# Altium PCB RPI_HAT_AMP_TAS5756_02.PcbDoc
Units mm, origin at the board's own origin, x right, y up, seen from the top; angles counter-clockwise.
Board outline 65 x 56 mm, 2 copper layers (Top Layer, Bottom Layer), stack 1.571 mm thick; 89 components, 75 nets, 275 pads, 229 vias.
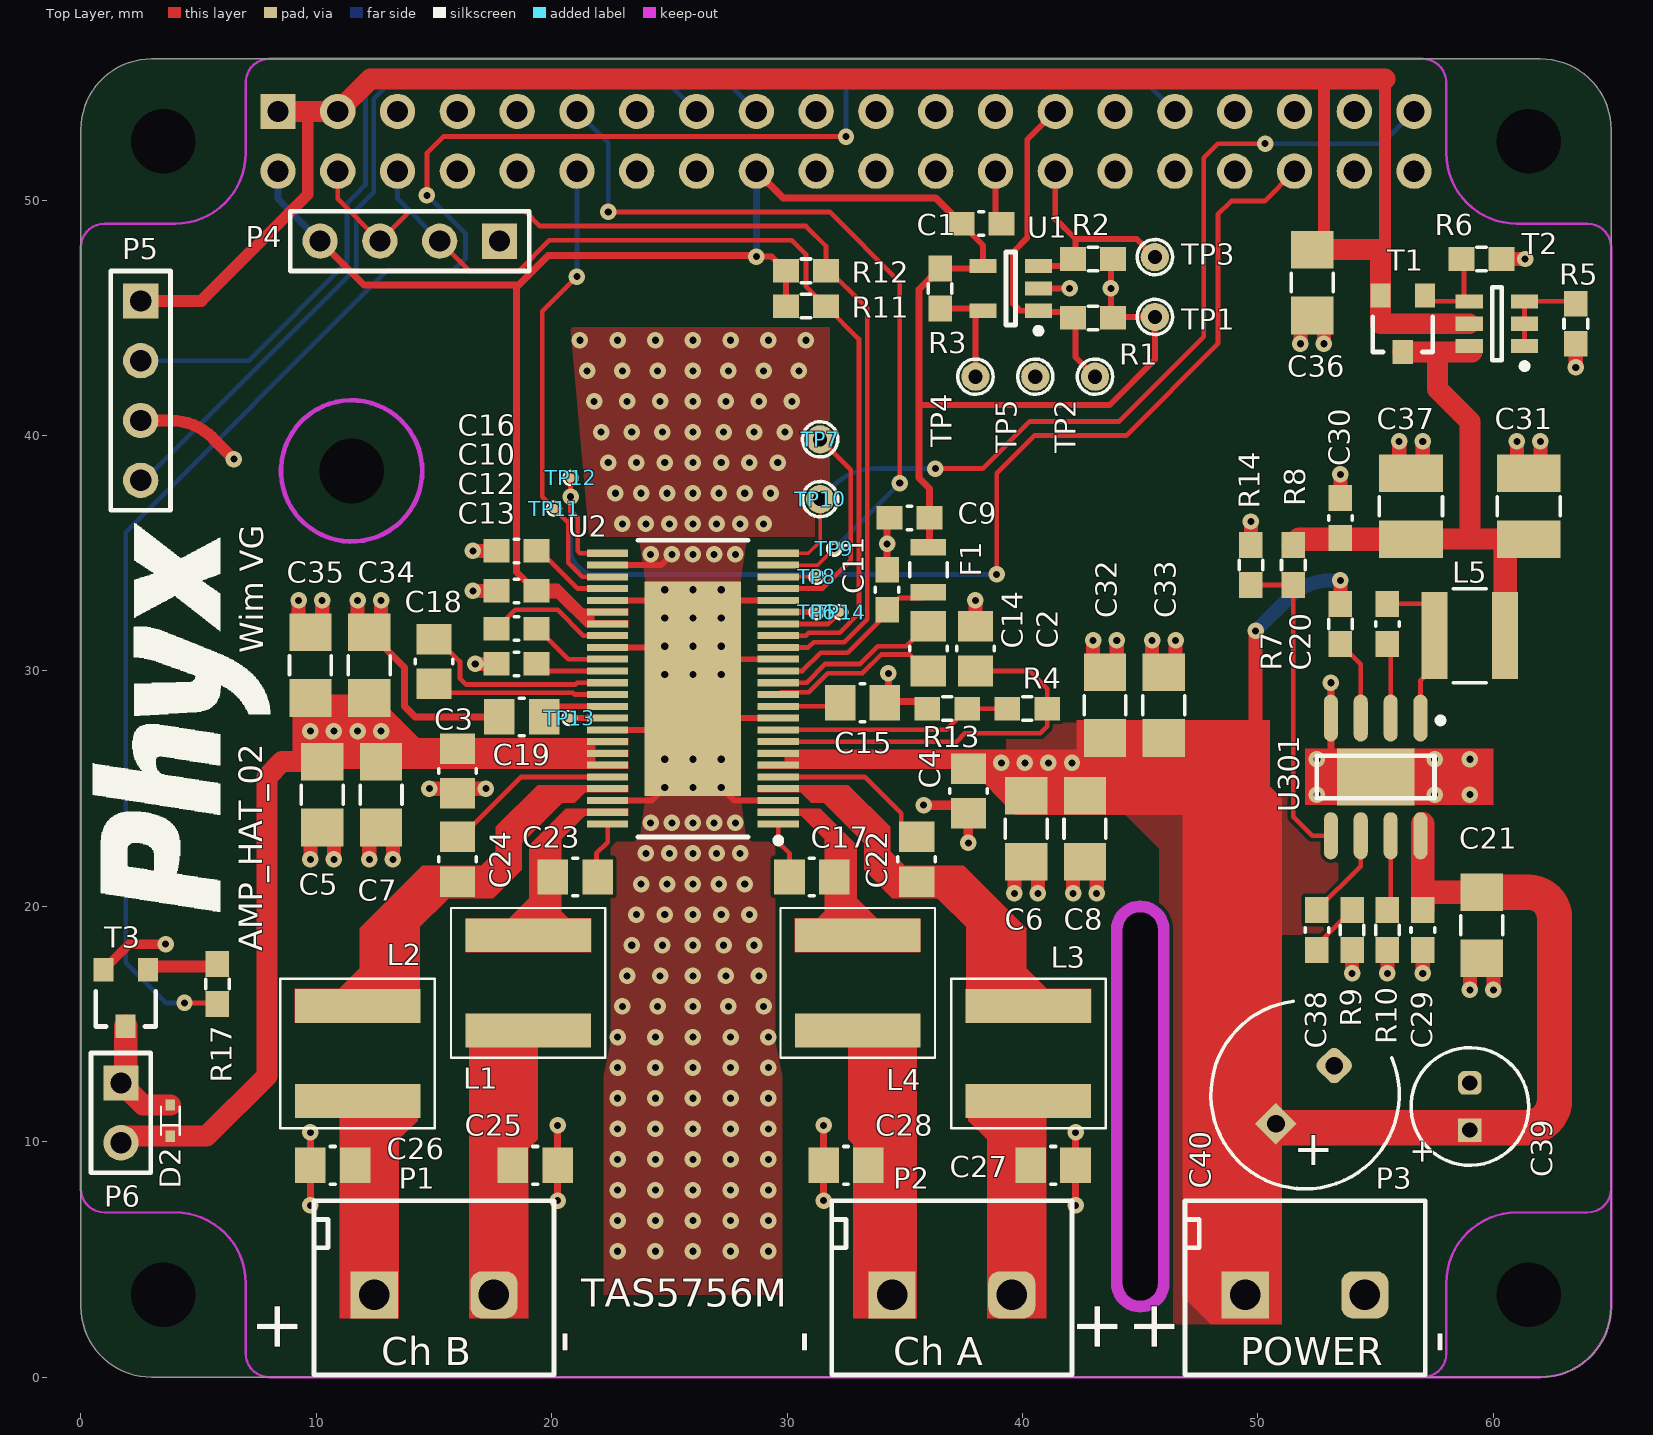
[diagram p0: Top Layer view]
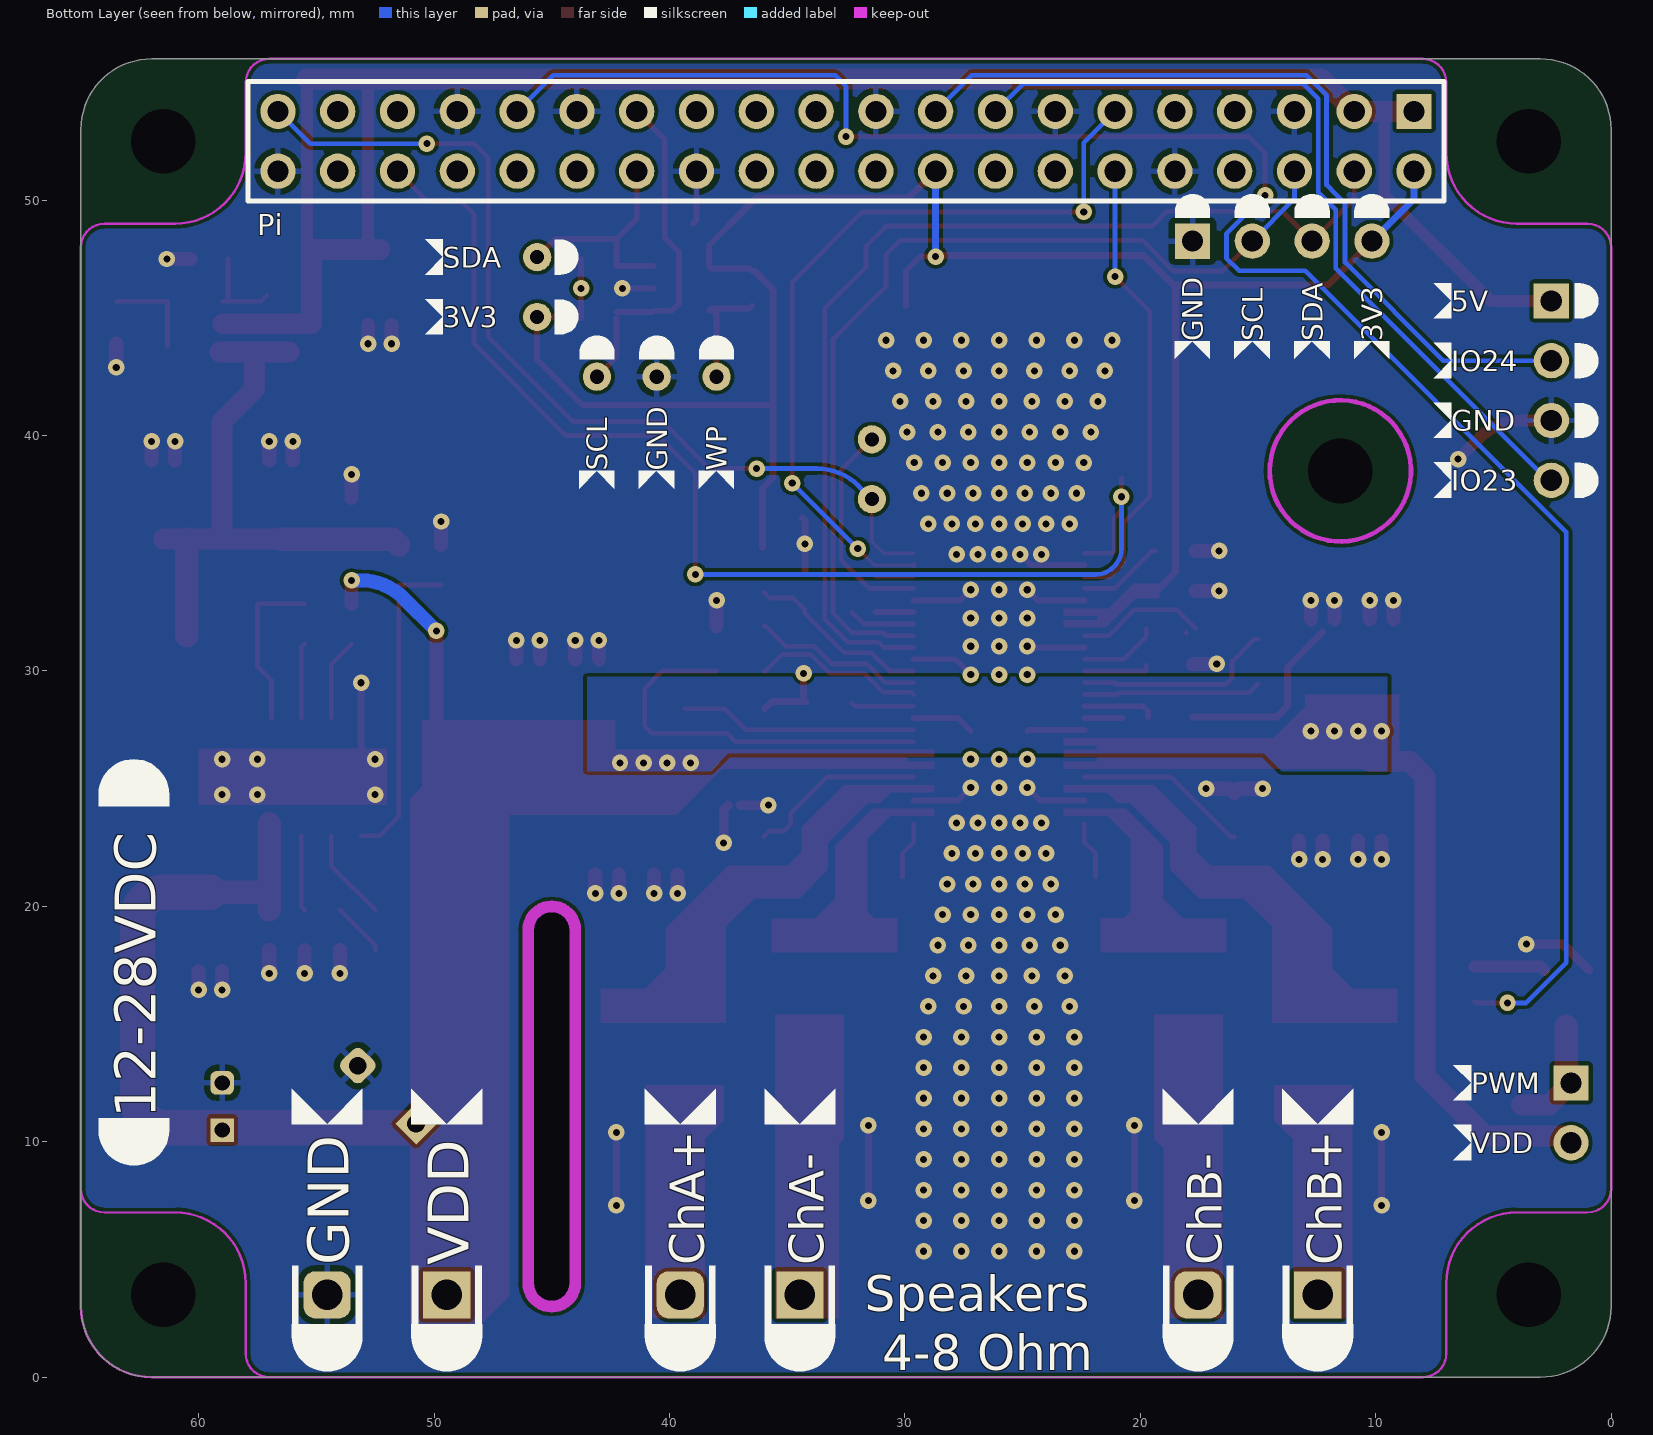
[diagram p1: Bottom Layer view, seen from below]
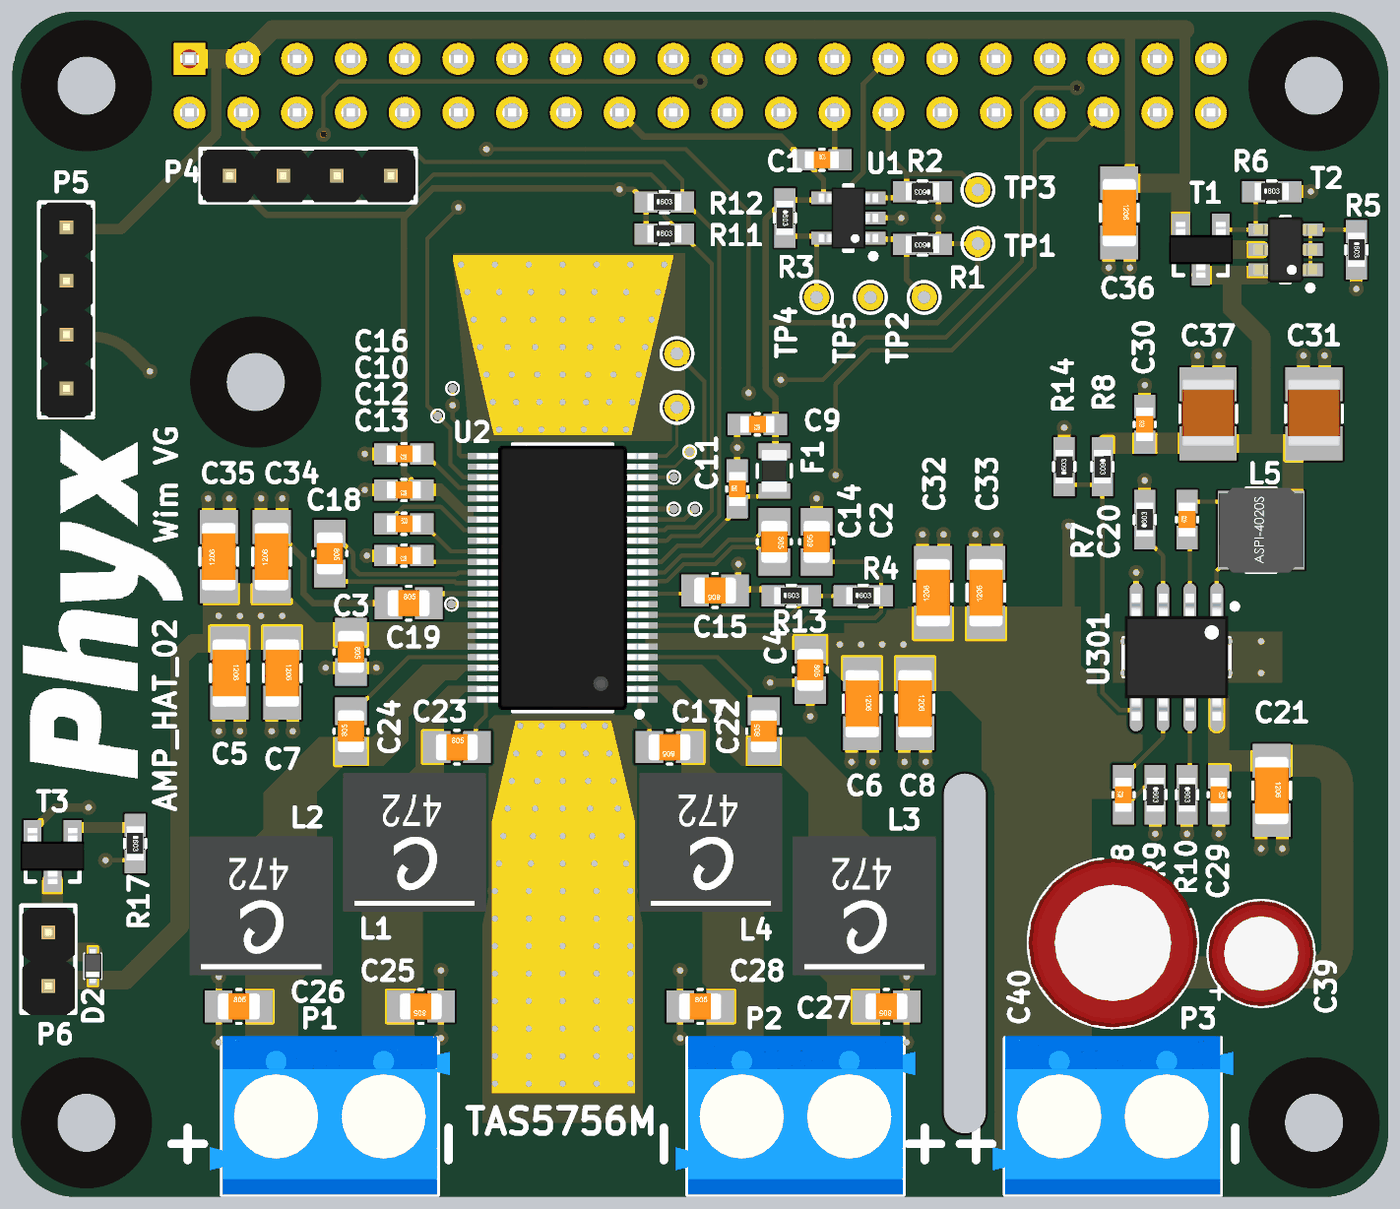
[diagram p2: 3D render of the assembled board from above, using the file's embedded part models]

## Layer stack, top to bottom
Top Solder: solder mask 0.0102, Solder Resist, Dk 3.5
Top Layer: signal copper 0.0356
Dielectric1: core 1.5, FR-4, Dk 4.8
Bottom Layer: signal copper 0.0356
Bottom Solder: solder mask 0.0102, Solder Resist, Dk 3.5

## Board outline
0,3 0,53 cw(c3,53) 3,56 62,56 cw(c62,53) 65,53 65,3 cw(c62,3) 62,0 3,0 cw(c3,3)

## Design rules (kind name [scope] priority, off if disabled: settings)
Clearance [All] p1: gap=0.15 ignorepadtopadclearanceinfootprint=FALSE except(0: Arc-Hole Track-Hole SMDPad-Hole THPad-Hole Via-Hole Fill-Hole Poly-Hole Region-Hole Text-Hole)
HoleSize [All] p1: absolutevalues=TRUE maxlimit=20 minlimit=0.025 maxpercent=80.000 minpercent=20.000
PolygonConnect PolygonConnect_VIA [IsVia] p1: connectstyle=Direct reliefconductorwidth=0.254 reliefentries=4 polygonreliefangle="90 Angle" airgapwidth=0.254
PolygonConnect PolygonConnect_Cooling [InNet('GND') vs HasFootprint('TI-DCA-R-PDSO-G48')] p2: connectstyle=Direct reliefconductorwidth=0.254 reliefentries=4 polygonreliefangle="90 Angle" airgapwidth=0.254
PolygonConnect [All] p3: connectstyle=Relief reliefconductorwidth=0.254 reliefentries=4 polygonreliefangle="90 Angle" airgapwidth=0.254
RoutingVias [All] p1: holewidth=0.3 width=0.7 viastyle="Through Hole" minholewidth=0.3 minwidth=0.7 maxholewidth=0.6 maxwidth=1.2
SilkToSolderMaskClearance SilkscreenOverComponentPads [IsPad] p1: minsilkscreentomaskgap=0.254 clearancetoexposedcopper=TRUE
SolderMaskExpansion [All] p1: expansion=0.102
Width [All] p1: maxlimit=2 minlimit=0.15 preferedwidth=0.25
28 further rules are at their usual default settings.

## Classes and differential pairs
net class POWER: 3V3 5V 5V_PI GND PVDD

## Components (designator, comment, footprint, x,y, rotation, side; value= is the part's Value field where it differs from the comment)
C1 "CAP_CERAMIC" C0603_N 38.25,49 r0 top value="100nF 16V"
C2 "CAP_CERAMIC" C0805_N 38,30.95 r90 top value="1uF 25V"
C3 "CAP_CERAMIC" C0805_N 16,25.75 r270 top value="100nF 50V"
C4 "CAP_CERAMIC" C0805_N 37.7,24.9 r270 top value="100nF 50V"
C5 "CAP_CERAMIC" C1206_N 10.25,24.75 r270 top value="22uF 35V"
C6 "CAP_CERAMIC" C1206_N 40.15,23.3 r270 top value="22uF 35V"
C7 "CAP_CERAMIC" C1206_N 12.75,24.75 r270 top value="22uF 35V"
C8 "CAP_CERAMIC" C1206_N 42.65,23.3 r270 top value="22uF 35V"
C9 "CAP_CERAMIC" C0603_N 35.2,36.5 r180 top value="1uF 16V"
C10 "CAP_CERAMIC" C0603_N 18.5,33.4 r180 top value="1uF 16V"
C11 "CAP_CERAMIC" C0603_N 34.25,33.45 r90 top value="1uF 16V"
C12 "CAP_CERAMIC" C0603_N 18.5,31.8 r0 top value="1uF 16V"
C13 "CAP_CERAMIC" C0603_N 18.5,30.3 r180 top value="1uF 16V"
C14 "CAP_CERAMIC" C0805_N 36,30.95 r270 top value=2u2F
C15 "CAP_CERAMIC" C0805_N 33.2,28.65 r180 top value=2u2F
C16 "CAP_CERAMIC" C0603_N 18.5,35.1 r180 top value="1uF 16V"
C17 "CAP_CERAMIC" C0805_N 31.05,21.25 r180 top value="220nF 50V"
C18 "CAP_CERAMIC" C0805_N 15,30.4 r270 top value=2u2F
C19 "CAP_CERAMIC" C0805_N 18.725,28.05 r0 top value=2u2F
C20 "CAP_CERAMIC" C0603_N 55.5,32 r90 top value="100nF 50V"
C21 "CAP_CERAMIC" C1206_N 59.5,19.2 r270 top value="10uF 35V"
C22 "CAP_CERAMIC" C0805_N 35.5,22 r90 top value="220nF 50V"
C23 "CAP_CERAMIC" C0805_N 21,21.25 r0 top value="220nF 50V"
C24 "CAP_CERAMIC" C0805_N 16,22 r90 top value="220nF 50V"
C25 "CAP_CERAMIC" C0805_N 19.3,9 r180 top value="680nF 50V"
C26 "CAP_CERAMIC" C0805_N 10.7,9 r0 top value="680nF 50V"
C27 "CAP_CERAMIC" C0805_N 41.3,9 r180 top value="680nF 50V"
C28 "CAP_CERAMIC" C0805_N 32.5,9 r0 top value="680nF 50V"
C29 "CAP_CERAMIC" C0603_N 57,19 r270 top value="100nF 50V"
C30 "CAP_CERAMIC" C0603_N 53.5,36.5 r90 top value="100nF 50V"
C31 "CAP_CERAMIC" C1210_N 61.5,37 r90 top value="22uF 10V"
C32 "CAP_CERAMIC" C1206_N 43.5,28.55 r90 top value="22uF 35V"
C33 "CAP_CERAMIC" C1206_N 46,28.55 r90 top value="22uF 35V"
C34 "CAP_CERAMIC" C1206_N 12.25,30.25 r90 top value="22uF 35V"
C35 "CAP_CERAMIC" C1206_N 9.75,30.25 r90 top value="22uF 35V"
C36 "CAP_CERAMIC" C1206_N 52.3,46.5 r270 top value="22uF 35V"
C37 "CAP_CERAMIC" C1210_N 56.5,37 r90 top value="22uF 10V"
C38 "CAP_CERAMIC" C0603_N 52.5,19 r90 top value="2n7F 25V"
C39 "CAP_POL" C_5x11_2mm 59,11.5 r90 top value="10uF 63V"
C40 "CAP_POL" C_8x11.5_3.5mm 52,12 r45 top value="100uF 50V"
D2 "NSR0240V2T1G Schottky ULTRAFAST, 200MA, 40V" ON_SOD-523 3.8,10.9 r90 top value=NSR0240V2T1G
F1 "FERRITE" L0805 36,34.3 r270 top value="0.8A 0R12"
L1 "XAL6060-472MEC" XAL6060-472 19,16.75 r270 top value="4u7H 11A"
L2 "XAL6060-472MEC" XAL6060-472 11.75,13.75 r270 top value="4u7H 11A"
L3 "XAL6060-472MEC" XAL6060-472 40.25,13.75 r270 top value="4u7H 11A"
L4 "XAL6060-472MEC" XAL6060-472 33,16.75 r270 top value="4u7H 11A"
L5 "SWPA4020S6R8MT" SNL_SWPA4020 59,31.5 r0 top value=6u8H
P1 "2 Way Screw HDR 5,08mm" TERM_BLK-0508-2-90 15,3.5 r0 top locked value=PM5.08/2/90
P2 "2 Way Screw HDR 5,08mm" TERM_BLK-0508-2-90 37,3.5 r0 top locked value=PM5.08/2/90
P3 "2 Way Screw HDR 5,08mm" TERM_BLK-0508-2-90 52,3.5 r0 top locked value=PM5.08/2/90
P4 "Header 4" HDR1X4 17.78,48.26 r180 top locked
P5 "Header 4" HDR1X4 2.54,45.72 r270 top
P6 "Header 2" HDR1X2 1.7,12.5 r270 top locked
Pi "Header 20X2" RCPT2X20 32.5,52.5 r0 bottom locked
R1 "RESISTOR" R0603_N 43,45 r180 top value=3K9
R2 "RESISTOR" R0603_N 43,47.5 r180 top value=3K9
R3 "RESISTOR" R0603_N 36.5,46.25 r270 top value=1K
R4 "RESISTOR" R0603_N 40.2,28.4 r0 top value=150K
R5 "RESISTOR" R0603_N 63.5,44.75 r270 top value=10K
R6 "RESISTOR" R0603_N 59.5,47.5 r0 top value=47K
R7 "RESISTOR" R0603_N 53.5,32 r90 top value=100K
R8 "RESISTOR" R0603_N 51.5,34.5 r270 top value=62K
R9 "RESISTOR" R0603_N 54,19 r270 top value=24K
R10 "RESISTOR" R0603_N 55.5,19 r270 top value=180K
R11 "RESISTOR" R0603_N 30.8,45.5 r0 top value=3K9
R12 "RESISTOR" R0603_N 30.8,47 r0 top value=3K9
R13 "RESISTOR" R0603_N 36.8,28.4 r0 top value=680K
R14 "RESISTOR" R0603_N 49.7,34.5 r90 top value=11K8
R17 "RESISTOR" R0603_N 5.8,16.7 r270 top value=0R
T1 "4A P-Ch MOSFET Vgs -4,5" SOT23-3 56.15,44.75 r180 top value=TSM2311CX
T2 "Matched PNP" SOT23-6 60.15,44.75 r180 top value=DMMT5401-7-F
T3 "2.4A N-Ch MOSFET Vgs 4.5" SOT23-3 1.9,16.1 r180 top value=ZXMN2B01F
TP1 "TEST_PAD" TP_1.2mm_0.6mm 45.62,45.04 r0 top value="NO BOM"
TP2 "TEST_PAD" TP_1.2mm_0.6mm 43.08,42.5 r90 top value="NO BOM"
TP3 "TEST_PAD" TP_1.2mm_0.6mm 45.62,47.58 r90 top value="NO BOM"
TP4 "TEST_PAD" TP_1.2mm_0.6mm 38,42.5 r90 top value="NO BOM"
TP5 "TEST_PAD" TP_1.2mm_0.6mm 40.54,42.5 r90 top value="NO BOM"
TP6 "TEST_PAD" TP_0.4MM 31.25,32.5 r0 top value="NO BOM"
TP7 "TEST_PAD" TP_1.2mm_0.6mm 31.4,39.84 r0 top value="NO BOM"
TP8 "TEST_PAD" TP_0.4MM 31.25,34 r0 top value="NO BOM"
TP9 "TEST_PAD" TP_0.4MM 32,35.2 r0 top value="NO BOM"
TP10 "TEST_PAD" TP_1.2mm_0.6mm 31.4,37.3 r0 top value="NO BOM"
TP11 "TEST_PAD" TP_0.4MM 20.1,36.9 r90 top value="NO BOM"
TP12 "TEST_PAD" TP_0.4MM 20.8,38.2 r90 top value="NO BOM"
TP13 "TEST_PAD" TP_0.4MM 20.75,28 r90 top value="NO BOM"
TP14 "TEST_PAD" TP_0.4mm 32.25,32.5 r90 top value="NO BOM"
U1 "Serial EEPROM 64K (8b) SOT35 I2C" SOT23-5 39.5,46.25 r180 top value=24LC64T-I/OT
U2 "Audio Amp Class D 2ch 2x40W - 1x75W 104SNR" TI-DCA-R-PDSO-G48 26,29.25 r180 top value=TAS5756M
U301 "Buck 3A 36Vin sync" SOIC_N_8_TH 55,25.5 r270 top value=RT7272AGSP

## Footprints (in the part's own frame and the unit in brackets; to place one, negate y for a bottom-side part, rotate by r counter-clockwise, add the part's x,y. Pads: shape width x height; smd on the part's side, far side on the other; paste and mask are expansions set on the pad)
C0603_N [mm] "Low density"
  rect 1.1x1 smd: 1(-0.85,0) 2(0.85,0)
  silkscreen extent -0.1,-0.5 0.1,0.5, body extent -0.8,-0.4 0.8,0.4, height 0.3
C0805_N [mm] "Low density"
  rect 1.3x1.5 smd: 1(-0.95,0) 2(0.95,0)
  silkscreen extent -0.1,-0.8 0.1,0.8, body extent -1,-0.62 1,0.63, height 0.78
C1206_N [mm] "low density"
  rect 1.6x1.8 smd: 1(-1.4,0) 2(1.4,0)
  silkscreen extent -0.4,-0.89 0.4,0.89, body extent -1.6,-0.8 1.6,0.8, height 1
C1210_N [mm] "Low density"
  rect 1.6x2.7 smd: 1(-1.4,0) 2(1.4,0)
  silkscreen extent -0.4,-1.34 0.4,1.34, body extent -1.55,-1.25 1.65,1.25, height 1
C_5x11_2mm [mm] "Capacitor, Electrolytic, Radial; Body 5 x 11mm; 2mm pitch"
  rect 1x1 hole 0.65: 1(-1,0)
  rrect50% 1x1 hole 0.65: 2(1,0)
  silkscreen extent -2.5,-2.5 2.5,2.5, body extent -2.5,-2.5 2.5,2.5, height 11
C_8x11.5_3.5mm [mm] "Capacitor, Electrolytic, Radial; Body 8 x 11.5mm; 3.5mm pitch"
  rect 1.25x1.25 hole 0.75: 1(-1.75,0)
  rrect50% 1.25x1.25 hole 0.75: 2(1.75,0)
  silkscreen extent -4,-4 3.71,4, body extent -4,-4 4,4, height 12
HDR1X2 [mm] "Connector; Header; 2 Position"
  rect 1.5x1.5 hole 0.9: 1(0,0)
  round 1.5 hole 0.9: 2(2.54,0)
  silkscreen extent -1.27,-1.27 3.81,1.27, body extent -1.17,-1.25 3.91,1.25, height 8.2
HDR1X4 [mm] "Connector; Header; 4 Position"
  rect 1.5x1.5 hole 0.9: 1(0,0)
  round 1.5 hole 0.9: 2(2.54,0) 3(5.08,0) 4(7.62,0)
  silkscreen extent -1.27,-1.27 8.89,1.27, body extent -1.27,-1.23 8.89,1.27, height 8.2
L0805 [mm]
  rect 0.7x1.5 smd: 1(-0.95,0) 2(0.95,0)
  silkscreen extent -0.3,-0.8 0.3,0.8, body extent -1,-0.6 1,0.6, height 0.95
ON_SOD-523 [mm] "ON_SOD-523"
  rect 0.48x0.4 smd: 1(-0.66,0) 2(0.66,0)
  silkscreen extent -0.6,-0.4 0.6,0.4, body extent -0.8,-0.4 0.8,0.4, height 0.7
R0603_N [mm] "Low density"
  rect 1.1x1 smd: 1(-0.85,0) 2(0.85,0)
  silkscreen extent -0.2,-0.5 0.2,0.5, body extent -0.8,-0.41 0.8,0.41, height 0.45
RCPT2X20 [mm] "Connector; Receptable; 20x2 Position"
  rect 1.5x1.5 hole 0.9: 1(-24.13,-1.27)
  round 1.5 hole 0.9: 2(-24.13,1.27) 3(-21.59,-1.27) 4(-21.59,1.27) 5(-19.05,-1.27) 6(-19.05,1.27) 7(-16.51,-1.27) 8(-16.51,1.27) 9(-13.97,-1.27) 10(-13.97,1.27) 11(-11.43,-1.27) 12(-11.43,1.27) 13(-8.89,-1.27) 14(-8.89,1.27) 15(-6.35,-1.27) 16(-6.35,1.27) 17(-3.81,-1.27) 18(-3.81,1.27) 19(-1.27,-1.27) 20(-1.27,1.27) 21(1.27,-1.27) 22(1.27,1.27) 23(3.81,-1.27) 24(3.81,1.27) 25(6.35,-1.27) 26(6.35,1.27) 27(8.89,-1.27) 28(8.89,1.27) 29(11.43,-1.27) 30(11.43,1.27) 31(13.97,-1.27) 32(13.97,1.27) 33(16.51,-1.27) 34(16.51,1.27) 35(19.05,-1.27) 36(19.05,1.27) 37(21.59,-1.27) 38(21.59,1.27) 39(24.13,-1.27) 40(24.13,1.27)
  silkscreen extent -25.4,-2.54 25.4,2.54, body extent -25.52,-2.5 25.53,2.5, height 8.5
SNL_SWPA4020 [mm] "Sunlord SWPA4020 4x4x2mm inductor"
  rect 1.1x3.7 smd: 1(-1.5,0) 2(1.5,0)
  silkscreen extent -0.7,-2 0.7,2, body extent -2,-2 2,2, height 2.05
SOIC_N_8_TH [mm] "150 mil body width with Exposed Thermal Pad"
  oval 2x0.6 smd: 1(-2.5,1.905) 2(-2.5,0.635) 3(-2.5,-0.635) 4(-2.5,-1.905) 5(2.5,-1.905) 6(2.5,-0.635) 7(2.5,0.635) 8(2.5,1.905)
  rect 2.41x3.3 smd: 9(0,0)
  silkscreen extent -2.52,-2.5 0.9,2.88, body extent -3,-2.45 3,2.45, height 1.75
SOT23-3 [mm] "SOT-23; 3 Leads; Body 3.1 x 2.5 mm, inc. leads (LxW max)"
  rect 0.85x1 smd: 1(-0.95,-1.2) 2(0.95,-1.2) 3(0,1.2)
  silkscreen extent -1.27,-0.3 1.28,1.2, body extent -1.5,-1.32 1.5,1.32, height 1.08
SOT23-5 [mm] "SOT23, 5-Leads, Body 3,1x3,2mm (max), Pitch 0,95mm, IPC Medium Density"
  rect 1.15x0.6 smd: 1(-1.175,0.95) 2(-1.175,0) 3(-1.175,-0.95) 4(1.175,-0.95) 5(1.175,0.95)
  silkscreen extent -1.3,-1.55 0.2,1.92, body extent -1.4,-1.45 1.4,1.45, height 1.45
SOT23-6 [mm] "SOT23, 6-Leads, Body 3,1x3,2mm (max), Pitch 0,95mm, IPC Medium Density"
  rect 1.15x0.6 smd: 1(-1.175,0.95) 2(-1.175,0) 3(-1.175,-0.95) 4(1.175,-0.95) 5(1.175,0) 6(1.175,0.95)